# Altium PCB PCBOntwerp.PcbDoc
Units mil, origin at the board's own origin, x right, y up, seen from the top; angles counter-clockwise.
Board outline 7230 x 2841 mil, 2 copper layers (Top Layer, Bottom Layer); 25 components, 38 nets, 188 pads, 48 vias.
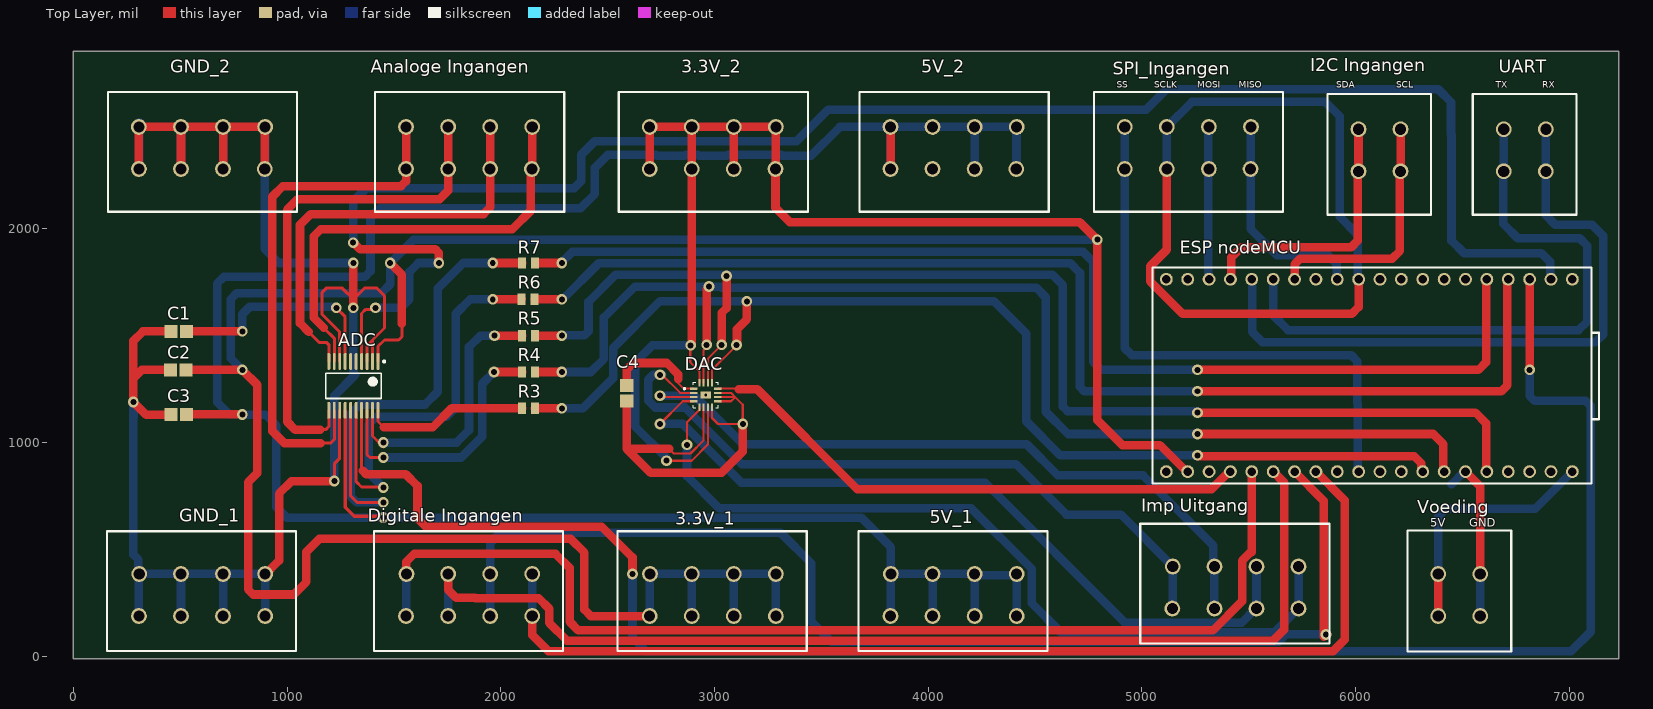
[diagram p0: Top Layer view]
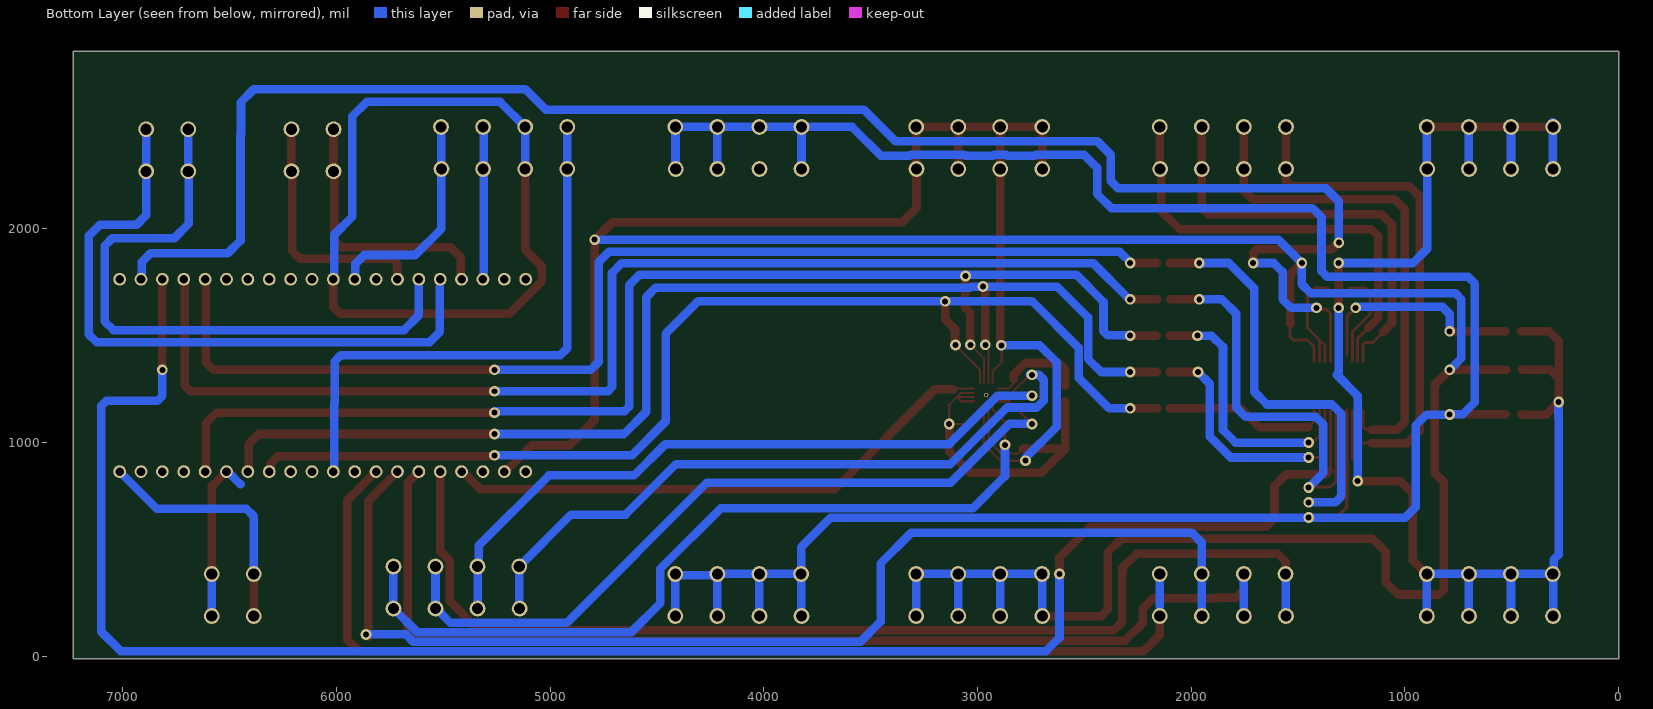
[diagram p1: Bottom Layer view, seen from below]

## Layer stack, top to bottom
Top Solder: solder mask 0.4, Solder Resist, Dk 3.5
Top Layer: signal copper 1.4
Dielectric 1: dielectric 12.6, FR-4, Dk 4.8
Bottom Layer: signal copper 1.4
Bottom Solder: solder mask 0.4, Solder Resist, Dk 3.5

## Board outline
0,-11 7230,-11 7230,2830 0,2830

## Design rules (kind name [scope] priority, off if disabled: settings)
Clearance Clearance_1 [All] p1: gap=10 ignorepadtopadclearanceinfootprint=TRUE except(0: Arc-Hole Track-Hole SMDPad-Hole THPad-Hole Via-Hole Fill-Hole Poly-Hole Region-Hole Text-Hole; 4: Arc-Arc Arc-Track Arc-SMDPad Track-Track Track-SMDPad SMDPad-SMDPad)
PolygonConnect [All] p1: connectstyle=Relief reliefconductorwidth=10 reliefentries=4 polygonreliefangle="90 Angle" airgapwidth=10
RoutingVias [All] p1: holewidth=28 width=50 viastyle="Through Hole" minholewidth=28 minwidth=50 maxholewidth=28 maxwidth=50
SolderMaskExpansion [All] p1: expansion=4
Width [All] p1: maxlimit=40 minlimit=10 preferedwidth=14 minimp=50.000000 maximp=50.000000 favimp=50.000000
30 further rules are at their usual default settings.

## Components (designator, comment, footprint, x,y, rotation, side; value= is the part's Value field where it differs from the comment)
3.3V_1 "3.3V_4Pins" TBL007A-500-04GY#1 2696.3,385 r270 top
3.3V_2 "3.3V_4Pins_2" TBL007A-500-04GY#1 3286.85,2280 r90 top
5V_1 "5V_4pins" TBL007A-500-04GY#1 3823.15,385 r270 top
5V_2 "5V_4pins" TBL007A-500-04GY#1 4413.7,2280 r90 top
ADC "ADC1247smd" TI-PW20_M 1310,1265 r270 top
"Analoge Ingangen" "Analoge_Ingangen" TBL007A-500-04GY#1 2146.85,2280 r90 top
C1 "1uF" CAPC2013X94X50ML20T25 493.58,1520 r0 top
C2 "0.1 uF" CAPC2013X94X50ML20T25 490,1340 r180 top
C3 "0.1 uF" CAPC2013X94X50ML20T25 492,1131 r180 top
C4 "1nF" CAPC2013X94X50ML20T25 2589,1230.42 r270 top
DAC "DAC7051" QFN50P300X300X80-17N 2958.69,1222.47 r0 top
"Digitale Ingangen" "Digitale_Ingangen" TBL007A-500-04GY#1 1556.3,385 r270 top
"ESP nodeMCU" "ESP32_nodeMCU" ESPnode_mcu32 5113.83,863.83 r90 top
GND_1 "GND_4Pins" TBL007A-500-04GY#1 306.3,385 r270 top
GND_2 "GND_4Pins_2" TBL007A-500-04GY#2 896.85,2280 r90 top
"I2C Ingangen" "I2C_2Pins" TBL007A-500-02GY 6013,2466 r270 top
"Imp Uitgang" "Impedance_Uitgang" TBL007A-500-04GY#1 5142.15,419.85 r270 top
R3 "47 ohm" 754-RG2012N-470-W-T1 2130,1160 r0 top
R4 "47 ohm" 754-RG2012N-470-W-T1 2130,1330 r180 top
R5 "47 ohm" 754-RG2012N-470-W-T1 2130,1500 r180 top
R6 "47 ohm" 754-RG2012N-470-W-T1 2128,1670 r180 top
R7 "47 ohm" 754-RG2012N-470-W-T1 2130,1840 r180 top
SPI_Ingangen "SPI_ingang4Pins" TBL007A-500-04GY#1 5510,2280 r90 top
UART "UART_2PINS" TBL007A-500-02GY 6693,2466 r270 top
Voeding "Voeding" TBL007A-500-02GY 6583,188 r90 top

## Footprints (in the part's own frame and the unit in brackets; to place one, negate y for a bottom-side part, rotate by r counter-clockwise, add the part's x,y. Pads: shape width x height; smd on the part's side, far side on the other; paste and mask are expansions set on the pad)
754-RG2012N-470-W-T1 [mm] "Chip Resistor, 2-Leads, Body 2.00x1.25mm, IPC High Density"
  rect 0.95x1.35 smd: 1(-0.775,0) 2(0.775,0)
  body extent -1.1,-0.72 1.1,0.72, height 0.5
CAPC2013X94X50ML20T25 [mm] "Chip Capacitor, 2-Leads, Body 2.01x1.25mm, IPC Low Density"
  rect 1.55x1.55 smd: 1(-0.925,0) 2(0.925,0)
  body extent -1.1,-0.72 1.11,0.72, height 0.94
ESPnode_mcu32 [mil]
  round 60 hole 40: 1(0,-100) 2(0,-200) 3(0,-300) 4(0,-400) 5(0,-500) 6(0,-600) 7(0,-700) 8(0,-800) 9(0,-900) 10(0,-1000) 11(0,-1100) 12(0,-1200) 13(0,-1300) 14(0,-1400) 15(0,-1500) 16(0,-1600) 17(0,-1700) 18(0,-1800) 19(0,-1900) 20(900,-100) 21(900,-200) 22(900,-300) 23(900,-400) 24(900,-500) 25(900,-600) 26(900,-700) 27(900,-800) 28(900,-900) 29(900,-1000) 30(900,-1100) 31(900,-1200) 32(900,-1300) 33(900,-1400) 34(900,-1500) 35(900,-1600) 36(900,-1700) 37(900,-1800) 38(900,-1900) NVT(0,0) NVT(900,0)
  silkscreen extent -55,-2025 955,65, body extent -60,-1985 2905,75, height 681
QFN50P300X300X80-17N [mm]
  rrect25% 0.89x0.26 smd: 1(-1.44,0.75) 2(-1.44,0.25) 3(-1.44,-0.25) 4(-1.44,-0.75) 9(1.44,-0.75) 10(1.44,-0.25) 11(1.44,0.25) 12(1.44,0.75)
  rrect25% 0.26x0.89 smd: 5(-0.75,-1.44) 6(-0.25,-1.44) 7(0.25,-1.44) 8(0.75,-1.44) 13(0.75,1.44) 14(0.25,1.44) 15(-0.25,1.44) 16(-0.75,1.44)
  rect 1.2x0.8 smd paste-2: 17(0,0)
  round 0.5 hole 0.3: 18(0,0)
  silkscreen extent -2.63,-1.5 1.5,1.5, body extent -1.5,-1.5 1.5,1.5, height 0.8
TBL007A-500-02GY [mil]
  round 74 hole 52: 1(0,0) 2(0,196.85) 4(196.85,0)
  round 73.82 hole 52: 3(196.85,196.85)
  silkscreen extent -165,-145 400,340, body extent -159,-145 396,335, height 504
TBL007A-500-04GY#1 [mil]
  round 74 hole 52: 1(0,1.85) 2(0,196.85) 3(0,393.7) 4(0,590.55) 5(196.85,590.55) 6(196.85,393.7) 7(196.85,196.85) 8(196.85,0)
  silkscreen extent -200,-150 360,735, body extent -200,-147 355,727, height 504
TBL007A-500-04GY#2 [mil]
  round 74 hole 52: 1(0,1.85) 2(0,196.85) 3(0,393.7) 4(0,590.55) 5(196.85,590.85) 6(196.85,393.7) 7(196.85,196.85) 8(196.85,0)
  silkscreen extent -200,-150 360,735, body extent -200,-147 355,727, height 504
TI-PW20_M [mm] "SOP, 20-Leads, Body 6.5x4.4mm, Pitch 0.65mm, IPC Low Density"
  oval 2x0.35 smd: 1(-2.9,2.925) 2(-2.9,2.275) 3(-2.9,1.625) 4(-2.9,0.975) 5(-2.9,0.325) 6(-2.9,-0.325) 7(-2.9,-0.975) 8(-2.9,-1.625) 9(-2.9,-2.275) 10(-2.9,-2.925) 11(2.9,-2.925) 12(2.9,-2.275) 13(2.9,-1.625) 14(2.9,-0.975) 15(2.9,-0.325) 16(2.9,0.325) 17(2.9,0.975) 18(2.9,1.625) 19(2.9,2.275) 20(2.9,2.925)
  silkscreen extent -3.02,-3.3 1.5,3.78, body extent -2.25,-3.3 2.25,3.3, height 1.2

## Part data
C1 C2 C3 C4: library part CMP-2007-04171-1, Manufacturer="AVX Interconnect / Elco", Part Number=08051C104JAT2A
R3 R4 R5 R6 R7: library part CMP-2001-04866-1, Manufacturer=Susumu, Part Number=RG2012N-470-W-T1

## Via types
v1: diameter 50, hole 28, Top Layer to Bottom Layer, 48 vias

## Nets (pads, with @x,y where several pads share a name; then routed paths per layer and width w, separated by ;. In a path a pad name is that pad's centre, name@x,y a point inside that pad or via, vN(x,y) a via of type N, cw(c..) or ccw(c..) an arc to the next point about the centre after c; other vN are vias at no path point)
3.3V: 3.3V_1.1 3.3V_1.2 3.3V_1.3 3.3V_1.4 3.3V_1.5 3.3V_1.6 3.3V_1.7 3.3V_1.8 3.3V_2.1 3.3V_2.2 3.3V_2.3 3.3V_2.4 3.3V_2.5 3.3V_2.6 3.3V_2.7 3.3V_2.8 "ESP nodeMCU.1" ADC.1 C2.1 DAC.7 DAC.16 | length 16974.1
  Top Layer w10: v1(2775,915) 2892.57,915 2968.54,990.97 DAC.7 ; v1@2893.15,1462.85 2886,1455.7 2886,1376 2929.17,1332.83 DAC.16
  Top Layer w14: ADC.1 1425.16,1450.05 1455.11,1480 1521.8,1480 1537.12,1495.33 1537.12,1554.9
  Top Layer w40: C2.1 v1(790,1340) 860,1270 860,857 817,814 817,312.43 840.43,289 1031,289 1090,348 1090,489 1150,549 2327,549 2391,485 2391,218 2420.85,188.15 3.3V_1.8 3.3V_1.8@2697.22,189.08 ; v1(1482.23,1840) 1537.12,1785.1 1537.12,1554.9 ; 3.3V_2.4 3.3V_2.5 3.3V_2.6 ; v1@2893.15,1462.85 3.3V_2.3 3.3V_2.6 ; 3.3V_2.2 3.3V_2.7 ; 5213.83,863.83 5208.41,863.83 5084.11,988.14 4907.86,988.14 4791,1105 v1(4791,1949) 4709,2031 3353,2031 3285,2099 3.3V_2.1 3285.93,2280.93 3285.93,2475.93 3.3V_2.8 3.3V_2.7 ; 3.3V_2.6 3.3V_2.7
  Bottom Layer w40: v1(790,1340) 735,1395 735,1670 764,1699 1441,1699 1482.23,1740.23 v1(1482.23,1840) 1591.23,1949 v1(4791,1949) ; 3.3V_1.8@2694.15,186 2697.22,189.08 2697.22,384.08 3.3V_1.1 3.3V_1.2 ; v1@2776,927 2628,1075 2628,1374 2709,1455 v1(2888,1455) ; 3.3V_1.7 3.3V_1.2 ; 3.3V_1.6 3.3V_1.3 ; 3.3V_1.5 3.3V_1.4 3.3V_1.3 ; 3.3V_1.2 3.3V_1.3
5V: 5V_1.1 5V_1.2 5V_1.3 5V_1.4 5V_1.5 5V_1.6 5V_1.7 5V_1.8 5V_2.1 5V_2.2 5V_2.3 5V_2.4 5V_2.5 5V_2.6 5V_2.7 5V_2.8 "ESP nodeMCU.19" ADC.14 C3.1 Voeding.2 Voeding.3 | length 12864.5
  Top Layer w15: ADC.14 1271.61,697.39 1314.39,654.61 1444.39,654.61 v1(1450,649)
  Top Layer w40: C3.1@528.42,1131.9 v1@765.19,1131.9 ; 5V_2.4@3820.44,2277.29 5V_2.4 ; 5V_1.8 5V_1.8@3824.07,189.08 ; 5V_2.4@3823.15,2300 3824.07,2300.93 3824.07,2475.93 5V_2.5@3825,2476.85 ; 5V_1.1@3824.07,384.08 5V_1.1 ; 5V_2.6 5V_2.6@4020,2490 ; 5V_2.1@4411.85,2293.15 5V_2.1@4412.77,2294.07 ; 5V_2.8@4412.77,2489.07 5V_2.8@4413.7,2490 ; 5V_1.4 5V_1.4@4416,382.7 ; Voeding.2 Voeding.3 ; 7010,860 7013.83,863.83
  Bottom Layer w40: 5V_1.8 3824.07,189.08 3824.07,384.08 5V_1.1 ; 5V_2.4 5V_2.5 ; 5V_1.7 5V_1.2 ; 5V_1.6 5V_1.3 ; 5V_2.2 5V_2.7 ; 5V_2.1 4412.77,2280.93 4412.77,2475.93 5V_2.8 5V_2.7 ; 5V_1.5 5V_1.4 4408.7,380 4221.85,380 5V_1.3 ; Voeding.3 6386.15,654.72 6422.43,691 6841,691 7013.83,863.83 ; 5V_2.5 5V_2.7 ; 5V_2.5 3586.42,2476.85 3451.99,2342.42 3317.33,2342.42 3312.75,2347 3062.25,2347 3057.67,2342.42 2925.48,2342.42 2920.9,2347 2865.4,2347 2860.82,2342.42 2728.63,2342.42 2724.05,2347 2501,2347 2440,2286 2440,2163.43 2373.37,2096.8 1432.8,2096.8 1390,2054 1390,1802 1364,1776 704,1776 672,1744 672,1189 728.09,1132.91 788.09,1132.91 v1(790,1131) 898,1131 950,1079 950,697 998,649 v1(1450,649) 1451,648 3687,648 3825,510 5V_1.1 ; 5V_1.1 5V_1.2 ; 5V_1.2 5V_1.3
A01: "Analoge Ingangen.1" "Analoge Ingangen.8" ADC.9 | length 2085.1
  Top Layer w14: 1171.75,1536.45 1220.43,1487.77 ADC.9
  Top Layer w40: 1171.75,1536.45 1125.28,1582.93 1125.28,1966.28 1158,1999 2054,1999 2140,2085 2140,2275 2145,2280 2145.93,2280.93 2145.93,2475.93 2146.85,2476.85
A02: "Analoge Ingangen.2" "Analoge Ingangen.7" ADC.10 | length 2016.1
  Top Layer w14: 1100,1518.71 1151.21,1467.5 1185.3,1467.5 1194.84,1457.96 ADC.10
  Top Layer w40: 1100,1518.71 1060,1558.71 1060,2019 1110,2069 1919,2069 1950,2100 1950,2280 1950,2476.85
A03: "Analoge Ingangen.4" "Analoge Ingangen.5" ADC.12 | length 2463.8
  Top Layer w14: 1158,997 1203,997 1220.43,1014.43 ADC.12
  Top Layer w40: 1158,997 987,997 930,1054 930,2150 980,2200 1532.87,2200 1556.3,2223.43 1556.3,2280 1556.3,2476.85
A04: "Analoge Ingangen.3" "Analoge Ingangen.6" "Digitale Ingangen.8" ADC.11 | length 2373.7
  Top Layer w14: 1155,1060 1180,1060 1194.84,1074.84 ADC.11
  Top Layer w40: 1155,1060 1037,1060 1000,1097 1000,2090 1049,2139 1714,2139 1753.15,2178.15 1753.15,2280 1753.15,2476.85
D01: "Digitale Ingangen.1" "ESP nodeMCU.4" | length 5161.6
  Top Layer w40: 1558.15,385 1558.15,443.15 1594,479 2256,479 2322,413 2322,161 2361.85,121.15 5331.9,121.15 5468.85,258.1 5468.85,447.6 5508.1,486.85 5513.83,486.85 5513.83,863.83
  Bottom Layer w40: 1556.3,188.15 1557.22,189.08 1557.22,384.08 1558.15,385
D02: "Digitale Ingangen.2" "Digitale Ingangen.7" "ESP nodeMCU.5" | length 5112
  Top Layer w40: 1753.15,188.15 1753.15,197.35 ; 1753.15,385 1753.15,310.85 1791,273 1879,273 1880,272 2176,272 2226,222 2226,156 2309,73 5614,73 5665.7,124.7 5665.7,811.95 5613.83,863.83
  Bottom Layer w40: 1753.15,188.15 1753.15,385
D03: "Digitale Ingangen.3" "Digitale Ingangen.6" "ESP nodeMCU.6" | length 5502.3
  Top Layer w40: 5713.83,863.83 5850,727.65 5850,91 v1(5861,102)
  Bottom Layer w40: 1950,188.15 1950,385 1950,531 1996.43,577.43 3309.63,577.43 3453,434.06 3453,162 3547,68 5639.93,68 5673.93,102 v1(5861,102)
D04: "Digitale Ingangen.4" "Digitale Ingangen.5" "ESP nodeMCU.7" | length 4940.1
  Top Layer w40: 2146.85,188.15 2146.85,99.15 2223,23 5894,23 5949,78 5949,728.65 5813.83,863.83
  Bottom Layer w40: 2146.85,232.15 2146.85,385
DRDY: "ESP nodeMCU.36" ADC.17 | length 8624.6
  Top Layer w14: 1348.39,868.61 ADC.17
  Top Layer w40: 1353.8,868.61 1370.41,852 1554.72,852 1610,796.72 1610,644 1649,605 2473,605 2616,462 v1@2616,393 ; v1(6813.83,1340) 6813.83,1763.83
  Bottom Layer w40: v1(2616,385) 2616,87 2679,24 7009,24 7100,115 7100,1171.57 7076.57,1195 6837.26,1195 6813.83,1218.43 v1(6813.83,1340)
GND: "ESP nodeMCU.14" ADC.2 ADC.3 ADC.8 ADC.13 C1.1 C2.2 C3.2 C4.2 DAC.6 DAC.8 DAC.9 DAC.10 DAC.11 GND_1.1 GND_1.2 GND_1.3 GND_1.4 GND_1.5 GND_1.6 GND_1.7 GND_1.8 GND_2.1 GND_2.2 GND_2.3 GND_2.4 GND_2.5 GND_2.6 GND_2.7 GND_2.8 Voeding.1 Voeding.4 | length 12307.2
  Top Layer w10: 2787.14,970.43 2808.57,949 2887.57,949 2948.85,1010.28 DAC.6 ; DAC.8 2988.22,1114.78 3016,1087 v1(3132,1087) 3132,1177 3096.37,1212.63 ; DAC.9 3076.68,1192.94 3096.37,1212.63 ; DAC.10 3096.37,1212.63 ; DAC.11 3076.69,1232.31 3096.37,1212.63
  Top Layer w14: v1(1220.43,820) 1220.43,900.43 1246.02,926.02 ADC.13 ; ADC.8 1246.02,1516.9 1164,1598.93 1164,1703 1185,1724 1256,1724 1310,1670 1364,1724 1417.69,1724 1455.11,1686.58 1455.11,1535.69 1373.98,1454.56 ADC.3 ; ADC.2 1399.57,1477.01
  Top Layer w40: GND_2.4 306.3,2476.85 GND_2.6 ; C2.2 320,1340 280,1300 ; C3.2@455.58,1131.9 453.68,1130 340,1130 v1(280,1190) 280,1300 ; C1.1 325,1520 280,1475 280,1300 ; GND_2.3 GND_2.6 ; GND_2.2 GND_2.7 ; GND_1.4@892.55,377.85 962.09,447.39 962.09,761.09 1019.09,818.09 1218.52,818.09 v1(1220.43,820) ; GND_2.1 895.92,2280.93 895.92,2475.93 GND_2.8 GND_2.7 ; v1(1310,1630) 1310,1670 v1@1310,1830 ; C4.2 2589,970.43 ; 2787.14,970.43 2589,970.43 ; v1(3132,1087) 3132,958 3033,859 2700.43,859 2589,970.43 ; 6513.83,863.83 6583,794.65 Voeding.4 ; GND_2.6 GND_2.7
  Bottom Layer w40: 281.91,1119.09 281.91,1188.09 v1(280,1190) 280,476 303.85,452.15 GND_1.1@303.85,385 ; GND_1.8 306.3,383.15 GND_1.1 GND_1.2 ; GND_2.4@306.3,2272.85 307.23,2273.78 GND_2.5@307.23,2468.78 ; GND_2.5@307.8,2498.35 GND_2.5@320.3,2485.85 ; GND_1.7 GND_1.2 ; GND_2.3@503.15,2272.85 GND_2.6@503.15,2468.78 ; GND_1.6 GND_1.3 ; GND_2.2@700,2272.85 GND_2.7@700,2469.7 ; GND_2.1 895,1907 962,1840 v1(1310,1840) ; GND_1.5 GND_1.4 GND_1.3 ; GND_2.1@896.85,2272.85 GND_2.8@896.85,2462.7 ; v1(1220.43,820) 1220.43,1218.43 1319,1317 1310,1326 v1(1310,1630) ; 6448.41,803.83 6508.41,863.83 6513.83,863.83 ; Voeding.1 Voeding.4 ; GND_1.2 GND_1.3
"I2C SCL": "ESP nodeMCU.22" "I2C Ingangen.1" "I2C Ingangen.4" | length 1252.4
  Top Layer w40: 5413.83,1763.83 5417.65,1767.65 5417.65,1866.65 5465,1914 5979,1914 6010,1945 6010,2266.85 6013.15,2270 6013.15,2466.85
"I2C SDA": "ESP nodeMCU.25" "I2C Ingangen.2" "I2C Ingangen.3" | length 1165.8
  Top Layer w40: 5710,1760 5713.83,1763.83 5713.83,1833.83 5740,1860 6170,1860 6206.85,1896.85 6206.85,2266.85 6210,2270 6210,2466.85
IMP0: "Imp Uitgang.1" "Imp Uitgang.8" DAC.2 | length 3327.7
  Top Layer w10: v1@2754,1317.09 2838.77,1232.31 DAC.2
  Bottom Layer w40: v1@2754,1317.09 v1(2745,1317.09) 2713.09,1317.09 2690,1294 2690,1196.22 2722.22,1164 2861.23,1164 3126.23,899 4410,899 4646.32,662.68 4901.17,662.68 5144,419.85 5143.07,418.92 5143.07,223.92 5142.15,223
IMP1: "Imp Uitgang.2" "Imp Uitgang.7" DAC.3 | length 3335.5
  Top Layer w10: v1(2745,1219) 2751.25,1212.75 2901.88,1212.75 DAC.3
  Bottom Layer w40: v1(2745,1219) 2905.82,1219 3132.82,992 4461,992 4607,846 5005,846 5334.15,516.85 5334.15,424.7 5339,419.85 5339,223
IMP2: "Imp Uitgang.3" "Imp Uitgang.6" DAC.4 | length 3602
  Top Layer w10: v1(2745,1087) 2850.94,1192.94 DAC.4
  Bottom Layer w40: v1(2745,1087) 2850.78,1087 3125.13,812.66 4265.34,812.66 4922,156 5465.67,156 5532.67,223 5535.85,223 5535.85,419.85
IMP3: "Imp Uitgang.4" "Imp Uitgang.5" DAC.5 | length 3848.8
  Top Layer w10: v1(2871,989) 2871,1095.21 2929.17,1153.38 DAC.5
  Bottom Layer w40: v1(2871,989) 2871,843 3022,692 4201.45,692 4485,408.45 4485,247 4620,112 5621.7,112 5732.7,223 5732.7,419.85
MISO: "ESP nodeMCU.13" DAC.15 R4.1 | length 5742.3
  Top Layer w10: DAC.15 2948.85,1432.03 2963,1446.18 v1(2963,1457)
  Top Layer w40: R4.1 v1(2285,1330) ; v1(2963,1457) 2963,1716.29 2974,1727.29 v1(2974,1730) ; v1(5260,1040) 6363,1040 6410,993 6410,860
  Bottom Layer w40: v1(2285,1330) 2421,1330 2482,1391 2482,1585 2627,1730 v1(2974,1730) 2975.91,1728.09 3029.13,1728.09 3033.22,1724 4506,1724 4550,1680 4550,1144 4654,1040 v1(5260,1040)
"MISO OUT": "ESP nodeMCU.27" SPI_Ingangen.1 SPI_Ingangen.8 | length 1026.1
  Top Layer w40: 5907,1763 5910,1760
  Bottom Layer w40: SPI_Ingangen.8 5509.07,2475.93 5509.07,2280.93 SPI_Ingangen.1 5508.15,1999.85 5630.46,1877.54 5869.46,1877.54 5910.61,1836.39 5910.61,1767.05 5913.83,1763.83
MOSI: "ESP nodeMCU.15" DAC.14 R5.1 | length 6031.4
  Top Layer w10: DAC.14 2968.54,1392.54 v1(3033,1457)
  Top Layer w40: R5.1 v1@2286.91,1500 ; v1(3033,1457) 3033,1606.5 3056,1629.5 v1(3056,1779) ; v1(5260,1140) 6560,1140 6610,1090 6610,860
  Bottom Layer w40: v1@2286.91,1500 2288.83,1501.91 2390.91,1501.91 2410,1521 2410,1658 2537,1785 3056,1785 4581,1785 4630,1736 4630,1168.11 4650.99,1147.12 v1@5260,1147.12
  other v1: 2285,1500
"MOSI OUT": "ESP nodeMCU.21" SPI_Ingangen.2 SPI_Ingangen.7 | length 721
  Bottom Layer w40: SPI_Ingangen.7@5300,2476.85 5310,2466.85 5310,2280 5310,1760
NetADC_7: ADC.7 C1.2 | length 1032.3
  Top Layer w14: v1(1230,1630) 1271.61,1588.39 ADC.7@1271.61,1411.54 ; v1@1230,1640 v1@1235,1635
  Top Layer w40: C1.2 v1(790,1520)
  Bottom Layer w40: v1(790,1520) 790,1600 825,1635 v1@1225,1635
NetADC_15: ADC.15 R7.2 | length 2493.7
  Top Layer w14: ADC.15 1297.2,750 1327.2,720 v1(1450,720)
  Top Layer w40: v1(1962,1840) R7.2
  Bottom Layer w40: v1(1450,720) 1326,720 1297,749 1297,1133.57 1341.43,1178 1645,1178 1705,1238 1705,1721 1824,1840 v1(1962,1840)
NetADC_16: ADC.16 R6.2 | length 2011.5
  Top Layer w14: ADC.16 1322.8,817 1347.8,792 1448,792 v1(1450,790)
  Top Layer w40: v1(1962,1670) R6.2
  Bottom Layer w40: v1(1450,790) 1381,859 1381,1084.57 1416.43,1120 1745,1120 1789,1164 1789,1603 1856,1670 v1(1962,1670)
NetADC_18: ADC.18 R4.2 | length 1249
  Top Layer w14: ADC.18 1373.98,943.2 1387.18,930 v1(1450,930)
  Top Layer w40: v1(1968.09,1330) R4.2
  Bottom Layer w40: v1(1450,930) 1815,930 1913,1028 1913,1275 1913.09,1275 v1(1968.09,1330)
NetADC_19: ADC.19 R5.2 | length 1276.2
  Top Layer w14: ADC.19 1399.57,1030.43 v1@1450,980
  Top Layer w40: v1(1970,1500) R5.2
  Bottom Layer w40: v1(1450,1000) 1793,1000 1851,1058 1851,1447 1904,1500 v1(1970,1500)
NetADC_20: ADC.20 R3.1 | length 773.9
  Top Layer w14: ADC.20 1425.16,1098.84 1452,1072
  Top Layer w40: 1452,1072 1682,1072 1770,1160 R3.1
NetC4_1: C4.1 DAC.1 | length 474.3
  Top Layer w10: 2830,1296 2830,1278 2856,1252 DAC.1
  Top Layer w40: C4.1 2589,1342 2619.09,1372.09 2776.78,1372.09 2830,1318.87 2830,1296
RESET: "ESP nodeMCU.37" ADC.4 | length 8109.4
  Top Layer w14: ADC.4 1348.39,1603.39 1368.11,1623.11 1406.22,1623.11 v1(1413.11,1630)
  Top Layer w40: v1@1309,1936 1341,1904 1693,1904 1710,1887 v1(1710,1840) v1@1708.09,1841.91
  Bottom Layer w40: v1(1309,1935) 1309,2129 1370,2190 2342.57,2190 2376.43,2223.86 2376.43,2347 2439.28,2409.85 3383.85,2409.85 3532,2558 5020,2558 5115,2653 6386,2653 6446,2593 6446,2443.43 6448.43,2441 6448.43,1945.42 6507.85,1886 6869,1886 6910,1845 6910,1767.65 6913.83,1763.83 ; v1(1413.11,1630) 1532,1630 1572,1670 1572,1798 1614,1840 v1(1710,1840)
RX: "ESP nodeMCU.24" UART.1 UART.4 | length 2916.8
  Bottom Layer w40: 5613.83,1763.83 5613.83,1595.17 5682.83,1526.17 7043.17,1526.17 7084,1567 7084,1920 7048,1956 6758,1956 6691,2023 6691,2267.15 UART.4 UART.1
SCLK: "ESP nodeMCU.12" DAC.13 R3.2 | length 5480.3
  Top Layer w10: DAC.13 2988.22,1341.22 v1(3103,1456)
  Top Layer w40: R3.2@2159.51,1161 v1@2284,1161 ; v1(3103,1456) 3104.91,1457.91 3104.91,1529.91 3151,1576 v1(3151,1661) ; v1@5263.3,936.57 6273.43,936.57 6306.17,903.83 6306.17,863.83 6310,860
  Bottom Layer w40: v1(2285,1160) 2384,1160 2526,1302 2526,1443 2744.77,1661.77 3151,1661.77 4306.23,1661.77 4458,1510 4458,1099.77 4617.77,940 v1(5260,940)
"SCLK OUT": "ESP nodeMCU.28" SPI_Ingangen.3 SPI_Ingangen.6 | length 3623.2
  Top Layer w40: SPI_Ingangen.3 5116.3,1902.3 5038.57,1824.57 5038.57,1754.23 5190.8,1602 5981.57,1602 6013.83,1634.26 6013.83,1763.83
  Bottom Layer w40: SPI_Ingangen.3 SPI_Ingangen.6 5233.45,2594 5858,2594 5926,2526 5926,2056 6010,1972 6010,1760
"SS ADC": "ESP nodeMCU.35" R6.1 | length 5686
  Top Layer w40: R6.1 v1@2289,1670 ; v1(5260,1240) 6682,1240 6710,1268 6710,1760
  Bottom Layer w40: v1@2289,1670 2458,1839 4665,1839 4710,1794 4710,1260 4730,1240 v1(5260,1240)
  other v1: 2285,1670
"SS DAC": "ESP nodeMCU.3" DAC.12 | length 2627
  Top Layer w10: DAC.12 3111,1252 3114,1249
  Top Layer w40: 3114,1249 3200,1249 3667,782 5326.59,782 5408.41,863.83 5413.83,863.83
"SS OUTBOARD": "ESP nodeMCU.9" "ESP nodeMCU.29" SPI_Ingangen.4 SPI_Ingangen.5 | length 2669.9
  Bottom Layer w40: SPI_Ingangen.5 SPI_Ingangen.4 4919.45,1441.55 4953,1408 5979.57,1408 6008,1379.57 6008,1184 6010,1182 6010,860
START: "ESP nodeMCU.34" R7.1 | length 5372.1
  Top Layer w40: R7.1 v1@2282,1840 ; v1(5260,1340) 6574,1340 6610,1376 6610,1760
  Bottom Layer w40: v1@2282,1840 2334,1892 4725,1892 4772.22,1844.78 4772.22,1377.78 4810,1340 v1(5260,1340)
  other v1: 2285,1840
TX: "ESP nodeMCU.23" UART.2 UART.3 | length 3059.6
  Bottom Layer w40: 5515,1728 5515,1518 5563,1470 7122,1470 7158,1506 7158,1967 7105.85,2019.15 6933.85,2019.15 6889.85,2063.15 UART.3 UART.2
pads on no net: "ESP nodeMCU.2" "ESP nodeMCU.8" "ESP nodeMCU.10" "ESP nodeMCU.11" "ESP nodeMCU.16" "ESP nodeMCU.17" "ESP nodeMCU.18" "ESP nodeMCU.20" "ESP nodeMCU.26" "ESP nodeMCU.30" "ESP nodeMCU.31" "ESP nodeMCU.32" "ESP nodeMCU.33" "ESP nodeMCU.38" "ESP nodeMCU.NVT" ADC.5 ADC.6 DAC.17 DAC.18
copper on no net: | length 5.4
  Bottom Layer w40: 5306.17,1763.83 5310,1760

## Silkscreen, mask and mechanical layers (free items; w line width, h text height)
Top Overlay:
  text "SS" at 4883,2660 h30
  text "SCLK" at 5057,2660 h30
  text "MOSI" at 5258,2660 h30
  text "MISO" at 5452,2660 h30
  text "SDA" at 5910,2660 h30
  text "SCL" at 6190,2660 h30
  text "TX" at 6656,2660 h30
  text "RX" at 6874,2660 h30
  text "5V" at 6349,607 h40
  text "GND" at 6532,606 h40